# KiCad board IotKnob.kicad_pcb (continued)
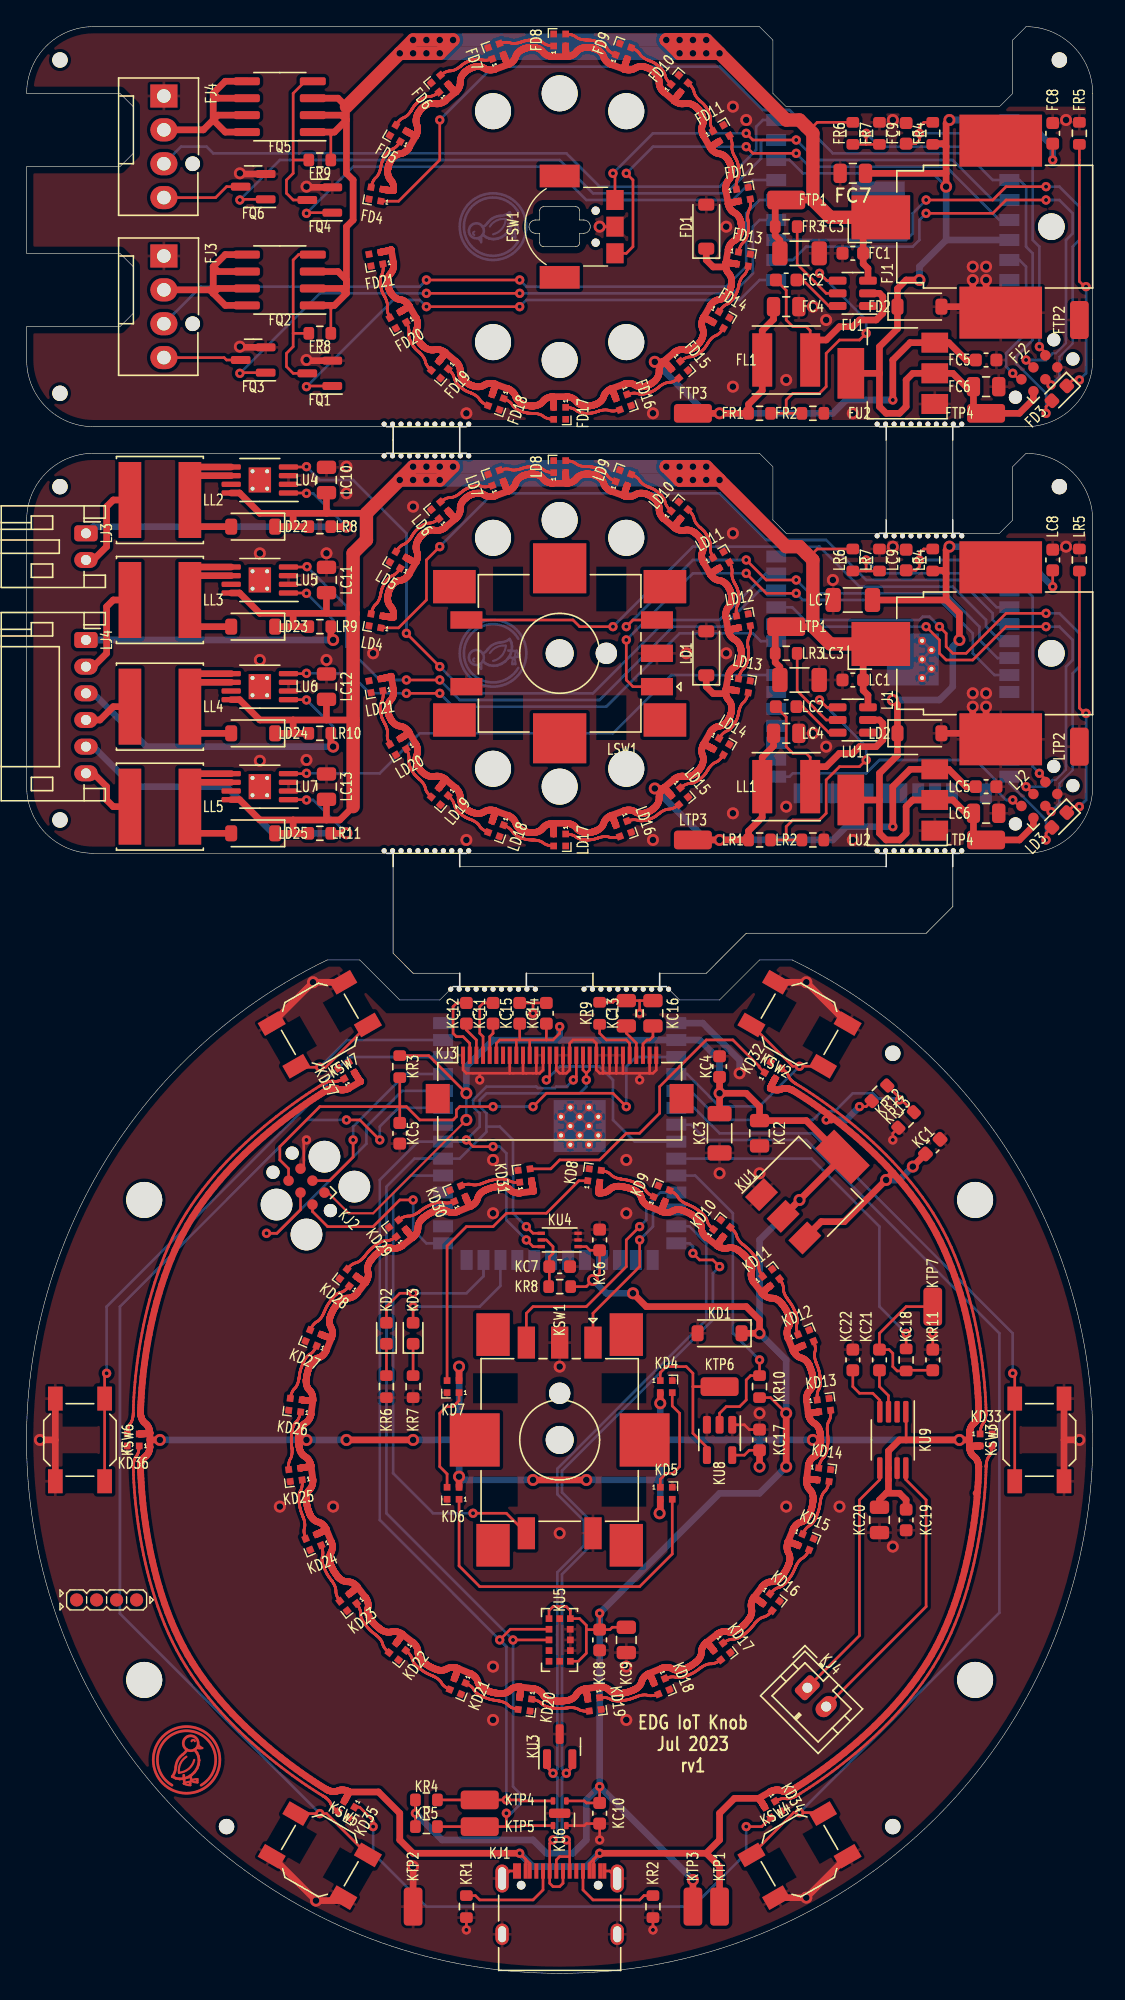
[diagram p0: board, top side]
## Routing (per net, layer and track width the routed paths; a pad name or vN(x,y) marks a point on that pad's centre or on a via; arc(x,y) is an arc through that point) (continued)
als.dvi_res.b: length 4.2
  Top w0.2: 39.22,51.56 KC7.1 39.22,53.73 39.5,54.01 39.5,54.51 39,55.01 KU4.5
enc.a: length 92.9
  Top w0.2: v2(46,55.01) 46,53.01 42.5,49.51 KSW1.A ; FSW1.A 45,129.01 45.5,129.51 45.5,134.51 v2(45,135.01) ; v2(45,100.01) 45,97.01 45.5,96.51 LSW1.A ; v2(54,137.01) 54.5,136.51 v2(57.75,136.51) ; v2(54,105.01) 55.5,103.51 v2(57.75,103.51)
  Bottom w0.2: v2(54,105.01) 50,105.01 v2(45,100.01) ; v2(57.75,103.51) 58.25,103.01 68.5,103.01 71,100.51 71,99.01 72.63,97.38 LU3.8 ; v2(57.75,136.51) 58.75,135.51 69,135.51 73,131.51 FU3.6 ; KU2.12 47.29,57.3 47,57.01 47,56.01 v2(46,55.01) ; v2(54,137.01) 47,137.01 v2(45,135.01)
enc.b: length 91
  Top w0.2: KSW1.B 37.5,49.51 38,50.01 42,50.01 45,53.01 45,55.01 v2(46,56.01) ; v2(54,138.01) 54.5,137.51 v2(57.75,137.51) ; v2(54,106.01) 55.5,104.51 v2(57.75,104.51) ; FSW1.B 44.15,134.86 v2(44,135.01) ; LSW1.B 45.5,101.51 v2(45,101.01)
  Bottom w0.2: v2(57.75,104.51) 58.75,103.51 69,103.51 71.5,101.01 71.5,100.01 72.86,98.65 LU3.7 ; v2(44,135.01) 47,138.01 v2(54,138.01) ; v2(46,56.01) 46.5,56.51 46.5,57.51 47.56,58.57 KU2.11 ; v2(54,106.01) 50,106.01 v2(45,101.01) ; FU3.5 72.5,133.01 69.5,136.01 59.25,136.01 v2(57.75,137.51)
enc.sw: length 83.8
  Top w0.2: KSW1.S1 36,34.51 v2(33.5,34.51) ; LSW1.S1 41,101.51 41.5,101.01 v2(44,101.01)
  Bottom w0.2: v2(44,101.01) 50,107.01 59.5,107.01 62.5,104.01 69.5,104.01 72,101.51 72,101.01 73.09,99.92 LU3.6 ; KU2.31 28.83,59.84 27.5,58.51 27.5,37.51 30.5,34.51 v2(33.5,34.51)
i2c_chain_0.scl: length 97.3
  Top w0.2: KU5.10 36.3,25.81 v2(35.5,25.01) ; v2(41.02,67.01) 41.25,67.23 KJ3.18 ; KR4.2 KTP4.1 37,13.01 37.08,12.93 KU6.2 ; v2(33,62.51) 33.5,62.01 v2(35,62.01) ; KU4.6 38,54.51 v2(37.5,55.01)
  Bottom w0.2: v2(41.02,67.01) 40.52,66.51 39.75,66.51 39.64,66.4 38.36,66.4 38.25,66.51 34.5,66.51 33.5,65.51 33.5,65 34,64.5 34,63.51 32.87,62.38 KU2.33 29.37,62.38 26.5,59.51 26.5,34.01 36,24.51 ; v2(36,13.01) 36,24.51 ; 36,24.51 v2(35.5,25.01) ; v2(35,62.01) 35.5,62.01 36,61.51 36,56.51 v2(37.5,55.01)
i2c_chain_0.sda: length 98.9
  Top w0.2: 42,67.51 41.75,67.76 KJ3.19 ; 42,67.51 v2(42,67.01) ; 42,67.51 42.25,67.76 KJ3.20 ; v2(36,12.01) 36,11.01 ; 36,11.01 KTP5.1 KR5.2 ; 36,11.01 37,11.01 37.08,11.08 KU6.3 ; KU5.9 v2(36.5,25.01) ; v2(37.5,56.01) 38,55.51 KU4.4
  Bottom w0.2: 34.5,63.51 34.5,63.11 32.5,61.11 KU2.32 29.11,61.11 27,59 27,34.51 v2(36.5,25.01) 36.5,14.01 37,13.51 37,12.64 36.36,12.01 v2(36,12.01) ; 34.5,63.51 34.5,64.51 34,65.01 34,65.5 34.51,66.01 41.5,66.01 42,66.51 v2(42,67.01) ; 34.5,63.51 35.5,63.51 36.5,62.51 36.5,57.01 v2(37.5,56.01)
io8_pur.io: length 24.3
  Top w0.2: v2(55,46.01) KR10.2 54.33,44.83 54,44.51 54,43.01 53.5,42.51 52.5,42.51 52,42.01 KU8.2
  Bottom w0.2: KU2.10 50.17,59.84 53,57.01 53,48.01 v2(55,46.01)
ledr.res.a: length 40.7
  Top w0.2: v2(79,119.51) 78.5,119.51 FD3.1 ; v2(79,87.51) 78.5,87.51 LD3.1 ; KD2.1 KR6.1 ; LR5.1 79,94.91 79.4,94.51 ; 79.4,126.51 79,126.91 FR5.1
  Bottom w0.2: v2(79,119.51) 79.5,120.01 v2(79.5,126.51) ; v2(79,87.51) 79.5,88.01 v2(79.5,94.51)
ledr.signal: length 95.5
  Top w0.2: v2(76.5,85.01) 76.5,85.51 LD3.2 ; v2(76.5,117.01) 76.5,117.51 FD3.2 ; KD2.2 27,50.01 28,51.01 v2(29,51.01) ; v2(31,139.01) 31,136.01 27.91,132.92 FD4.1
  Bottom w0.2: v2(29,51.01) 33,51.01 34.28,52.29 KU2.25 ; LU3.14 73.75,89.26 76.5,86.51 v2(76.5,85.01) ; v2(76.5,117.01) 76.5,118.51 74.25,120.76 74.25,121.26 75.5,122.51 75.5,129.01 75,129.51 75,134.01 74.5,134.51 FU3.4 72.5,134.51 70.5,136.51 60.5,136.51 57.25,139.76 55.25,139.76 52,143.01 35,143.01 v2(31,139.01)
ledy.res.a: length 2.4
  Top w0.2: KD3.1 KR7.1
ledy.signal: length 10.4
  Top w0.2: v2(29,50.01) KD3.2
  Bottom w0.2: KU2.24 35.56,51.56 34,50.01 v2(29,50.01)
mcu.program_boot_node: length 45.8
  Top w0.16: 74.45,87.56 v2(74,88.01) ; 74.45,119.56 v2(74,120.01)
  Top w0.2: KJ2.2 21.45,57.15 22.59,56.01 26,56.01 28,58.01 v2(29,58.01)
  Bottom w0.2: v2(74,88.01) 73.5,88.01 72.69,88.81 72.69,89.52 71.21,91.01 64,91.01 63,90.01 57.5,90.01 57.25,89.76 LU3.27 ; v2(74,120.01) 73.5,120.51 73.5,121.51 75,123.01 75,128.01 74.5,128.51 FU3.8 ; KU2.27 30,54.76 29,55.76 v2(29,58.01)
mcu.program_en_node: length 97.4
  Top w0.2: FC9.1 66.72,137.23 67,137.51 67,138.51 67.33,138.83 FR4.2 ; 28,65.01 KC5.1 ; 28,65.01 KR3.2 ; 28,65.01 28.5,65.01 29.5,64.01 32,64.01 32.25,64.26 32.25,64.76 32.5,65.01 v2(35,65.01) ; 28,65.01 22,65.01 19,62.01 19,61.01 19.65,60.35 KJ2.6 ; LR4.2 67.33,106.83 67,106.51 67,105.51 66.72,105.23 LC9.1 ; v2(45,65.01) 44,66.01 39,66.01 v2(38,65.01) ; 76.45,121.56 v2(76,122.01) ; 76.45,89.56 v2(76,90.01)
  Bottom w0.2: v2(45,65.01) 45,68.01 45.72,68.73 KU2.3 ; v2(35,65.01) v2(38,65.01) ; v2(76,90.01) 75.5,90.51 75.5,103.26 75.03,103.73 LU3.3 72.28,103.73 70,106.01 v2(67,106.01) ; v2(76,122.01) 76,129.51 75.5,130.01 75.5,137.01 75,137.51 FU3.2 72.5,137.51 72,138.01 v2(67,138.01)
mcu.program_uart_node.a_tx: length 96.9
  Top w0.2: v2(76.5,102.01) 73.5,102.01 70.5,99.01 69.5,99.01 69,99.5 69,100.5 v2(68.5,101.01) ; 76.87,119.13 FJ2.3 ; v2(76.5,134.01) 73.5,134.01 72.5,133.01 v2(67.5,133.01) ; 76.87,87.13 LJ2.3 ; v2(24.5,62.51) 24.5,61.22 22.73,59.46 KJ2.3
  Bottom w0.16: 77.5,89.01 77.5,89.24 78.5,90.24 78.5,90.51 ; 78.5,122.51 78.5,122.24 77.5,121.24 77.5,121.01
  Bottom w0.2: 78.5,90.51 78.5,97.51 79,98.01 79,100.51 77.5,102.01 v2(76.5,102.01) ; FU3.12 66,130.01 66.5,130.51 66.5,132.01 v2(67.5,133.01) ; 78.5,122.51 78.5,129.51 79,130.01 79,132.51 77.5,134.01 v2(76.5,134.01) ; LU3.37 57.45,102.46 58.4,101.51 67,101.51 67.25,101.76 67.75,101.76 v2(68.5,101.01) ; v2(76.88,119.13) 77.5,119.76 77.5,121.01 ; 77.5,89.01 77.5,87.76 v2(76.88,87.13) ; v2(24.5,62.51) 24.5,63.51 28.45,67.46 KU2.37
mcu.program_uart_node.b_tx: length 102.3
  Top w0.2: v2(76.5,101.01) 73.5,101.01 71,98.51 69,98.51 68.5,99.01 68.5,100.01 v2(67.5,101.01) ; v2(67.5,132.01) 72.5,132.01 73.5,133.01 v2(76.5,133.01) ; KJ2.4 20.55,57.28 18.78,55.51 v2(18,55.51) ; v2(75,121.01) FJ2.4 ; v2(75,89.01) LJ2.4
  Bottom w0.16: 77,89.51 77.24,89.51 78,90.27 78,90.51 ; 77,121.51 77.24,121.51 78,122.27 78,122.51
  Bottom w0.2: v2(18,55.51) 18.78,55.51 25.5,62.22 25.5,63.51 28.18,66.19 KU2.36 ; 78,90.51 78,98.01 78.5,98.51 78.5,100.01 77.5,101.01 v2(76.5,101.01) ; v2(75,121.01) 76.5,121.01 77,121.51 ; FU3.11 57.5,128.51 58.5,129.51 66.5,129.51 67,130.01 67,131.51 v2(67.5,132.01) ; v2(67.5,101.01) 57.86,101.01 57.68,101.19 LU3.36 ; v2(75,89.01) 76.5,89.01 77,89.51 ; v2(76.5,133.01) 77.5,133.01 78.5,132.01 78.5,130.51 78,130.01 78,122.51
oled.c1_cap.neg: length 2.5
  Top w0.2: KC11.2 35,70.51 34.75,70.26 KJ3.5
oled.c1_cap.pos: length 4.9
  Top w0.2: KJ3.4 34.25,70.26 34,70.51 34,72.51 34.28,72.78 KC11.1
oled.c2_cap.neg: length 2.7
  Top w0.2: KC12.2 33,70.76 33.75,70.01 KJ3.3
oled.c2_cap.pos: length 5.6
  Top w0.2: KC12.1 32.28,72.78 32,72.51 32,70.51 32.25,70.26 32.75,70.26 33.25,69.76 KJ3.2
oled.device.vcc: length 2.6
  Top w0.2: KJ3.28 46.25,69.71 46.55,70.01 46.75,70.01 47,70.26 KC16.1
oled.device.vcomh: length 2.5
  Top w0.2: KJ3.27 45.75,69.77 45,70.52 KC13.1
oled.iref_res.a: length 4.1
  Top w0.2: KJ3.26 45.25,69.76 45,70.01 43.5,70.01 43,70.51 KR9.1
oled.reset: length 16.2
  Top w0.2: KJ3.14 39.25,67.26 v2(39,67.01)
  Bottom w0.2: KU2.8 45.63,62.38 44,64.01 44,67.01 43,68.01 40,68.01 v2(39,67.01)
rgb_knob.dout: length 22.7
  Top w0.2: KD7.3 31.55,54.56 33,56.01 35,56.01 36,57.01 39,57.01 41.44,59.45 KD8.1
rgb_knob.led[0].dout: length 8.2
  Top w0.2: KD4.3 48.45,42.56 49,42.01 49,38.01 48.5,37.51 48,37.51 47.55,37.06 KD5.1
rgb_knob.led[1].dout: length 26.8
  Top w0.2: KD6.1 32.45,30.56 34,29.01 46,29.01 48.45,31.46 KD5.3
rgb_knob.led[2].dout: length 8.2
  Top w0.2: KD6.3 31.55,37.46 31,38.01 31,42.01 31.5,42.51 32,42.51 32.45,42.96 KD7.1
rgb_ring.dout: length 23.8
  Top w0.2: KD32.1 54.97,67.97 54.97,68.04 53,70.01 51,70.01 49,68.01 49,68.01 47.5,66.51 47.5,64.51 46,63.01 45,63.01 43,61.01 40,61.01 39.33,60.34 KD31.3
rgb_ring.led[0].dout: length 12.1
  Top w0.2: 46.94,58.3 46.89,58.33 46.84,58.36 46.81,58.38 46.78,58.4 46.75,58.41 46.7,58.46 46.64,58.5 46.61,58.52 46.59,58.55 46.56,58.57 46.54,58.6 46.51,58.63 46.49,58.66 46.47,58.68 46.45,58.71 46.44,58.75 46.42,58.78 46.4,58.81 46.38,58.83 46.36,58.86 46.33,58.89 46.31,58.92 46.26,58.97 46.23,58.99 46.2,59.01 46.15,59.06 46.12,59.08 46.09,59.09 46.03,59.13 46.01,59.15 45.96,59.17 45.93,59.19 45.91,59.2 45.89,59.21 45.86,59.23 45.83,59.24 45.81,59.25 45.79,59.26 45.77,59.27 45.75,59.27 45.73,59.28 45.72,59.28 45.7,59.29 45.66,59.31 45.64,59.32 45.61,59.33 45.59,59.34 45.56,59.34 45.54,59.35 45.51,59.36 45.49,59.37 45.46,59.38 45.44,59.39 45.33,59.43 45.31,59.44 45.28,59.44 45.26,59.45 45.23,59.46 45.19,59.47 45.17,59.48 45.14,59.48 45.12,59.49 45.09,59.49 45.07,59.5 44.99,59.51 44.9,59.53 44.88,59.53 44.85,59.54 44.8,59.54 44.77,59.55 44.75,59.55 44.73,59.56 44.69,59.56 44.67,59.56 44.65,59.57 44.62,59.57 44.6,59.57 44.56,59.58 44.52,59.59 44.5,59.59 44.43,59.61 44.4,59.61 44.34,59.63 44.31,59.64 44.25,59.66 44.22,59.67 44.18,59.69 44.12,59.71 44.08,59.73 44.05,59.75 44.02,59.77 43.96,59.81 43.93,59.83 43.9,59.85 43.88,59.87 43.83,59.92 43.81,59.95 43.78,59.97 43.75,59.99 43.69,60.03 43.66,60.05 43.62,60.07 43.59,60.08 43.56,60.1 43.49,60.12 43.46,60.14 43.43,60.15 43.4,60.16 43.34,60.18 43.28,60.19 43.25,60.2 ; 27.96,137.27 27.95,137.25 27.91,137.2 27.87,137.16 27.83,137.11 27.8,137.08 27.78,137.05 27.73,137 27.7,136.98 27.67,136.96 27.64,136.94 27.61,136.91 27.58,136.9 27.55,136.88 27.52,136.86 27.49,136.85 27.46,136.83 27.43,136.82 27.39,136.81 27.36,136.79 27.33,136.77 27.3,136.75 27.27,136.73 27.24,136.71 27.22,136.69 27.19,136.66 27.14,136.61 27.09,136.56 27.07,136.54 27.04,136.51 27,136.46 26.99,136.44 26.97,136.42 26.95,136.39 26.92,136.34 26.89,136.3 26.87,136.27 26.86,136.25 26.83,136.2 26.82,136.17 26.81,136.16 26.8,136.14 26.78,136.11 26.78,136.09 26.76,136.05 26.73,136 26.71,135.96 26.7,135.93 26.69,135.91 26.68,135.89 26.66,135.84 26.66,135.83 26.65,135.81 26.65,135.79 26.64,135.77 26.64,135.75 26.63,135.73 26.61,135.67 26.61,135.65 26.61,135.63 26.6,135.61 26.6,135.59 26.59,135.56 26.58,135.54 26.58,135.5 26.57,135.46 26.56,135.43 26.56,135.41 26.55,135.35 26.54,135.31 26.53,135.29 26.53,135.27 26.52,135.24 26.51,135.22 26.5,135.19 26.47,135.1 26.46,135.07 26.44,135.03 26.43,135 26.42,134.97 26.4,134.94 26.38,134.9 26.36,134.87 26.34,134.84 26.32,134.81 26.3,134.78 26.28,134.76 26.25,134.73 26.23,134.71 26.2,134.68 26.18,134.66 26.15,134.64 26.13,134.61 26.11,134.58 26.06,134.52 26.03,134.46 26.01,134.43 25.98,134.37 25.96,134.33 25.95,134.3 25.94,134.27 25.92,134.24 25.92,134.21 25.91,134.18 25.9,134.15 25.89,134.12 25.88,134.1 ; 25.88,102.1 25.89,102.12 25.9,102.15 25.91,102.18 25.92,102.21 25.92,102.24 25.94,102.27 25.95,102.3 25.96,102.33 25.98,102.37 26.01,102.43 26.03,102.46 26.06,102.52 26.11,102.58 26.13,102.61 26.15,102.64 26.18,102.66 26.2,102.68 26.23,102.71 26.25,102.73 26.28,102.76 26.3,102.78 26.32,102.81 26.34,102.84 26.36,102.87 26.38,102.9 26.4,102.94 26.42,102.97 26.43,103 26.44,103.03 26.46,103.07 26.47,103.1 26.49,103.16 26.5,103.19 26.51,103.22 26.52,103.24 26.53,103.27 26.53,103.29 26.54,103.33 26.55,103.35 26.56,103.39 26.56,103.41 26.56,103.42 26.57,103.46 26.58,103.5 26.58,103.54 26.6,103.59 26.6,103.61 26.61,103.63 26.61,103.65 26.61,103.67 26.63,103.73 26.64,103.75 26.64,103.77 26.65,103.79 26.65,103.81 26.66,103.83 26.66,103.84 26.67,103.87 26.68,103.89 26.69,103.91 26.71,103.96 26.74,104.02 26.78,104.09 26.78,104.11 26.8,104.14 26.81,104.16 26.82,104.17 26.83,104.2 26.85,104.24 26.87,104.27 26.9,104.31 26.92,104.34 26.95,104.39 26.97,104.42 26.99,104.44 27,104.46 27.04,104.51 27.07,104.54 27.09,104.56 27.14,104.61 27.19,104.66 27.22,104.69 27.24,104.71 27.27,104.73 27.3,104.75 27.33,104.77 27.36,104.79 27.39,104.81 27.43,104.82 27.46,104.83 27.49,104.85 27.52,104.86 27.55,104.88 27.58,104.9 27.61,104.91 27.64,104.94 27.67,104.96 27.7,104.98 27.73,105 27.78,105.05 27.8,105.08 27.83,105.11 27.87,105.16 27.91,105.2 27.95,105.25 27.96,105.27
rgb_ring.led[1].dout: length 12.1
  Top w0.2: 30.83,141.01 30.78,140.98 30.76,140.97 30.73,140.95 30.71,140.93 30.68,140.92 30.65,140.9 30.62,140.88 30.55,140.85 30.52,140.84 30.49,140.83 30.45,140.82 30.42,140.8 30.38,140.79 30.35,140.79 30.31,140.78 30.28,140.77 30.24,140.77 30.17,140.77 30.14,140.77 30.1,140.76 30.07,140.76 30.03,140.75 30,140.74 29.96,140.73 29.93,140.72 29.89,140.7 29.86,140.69 29.83,140.67 29.8,140.66 29.77,140.64 29.74,140.63 29.71,140.61 29.68,140.59 29.65,140.58 29.63,140.56 29.58,140.53 29.54,140.5 29.51,140.48 29.5,140.47 29.47,140.44 29.44,140.42 29.42,140.4 29.39,140.38 29.38,140.37 29.36,140.35 29.33,140.32 29.31,140.31 29.3,140.29 29.27,140.27 29.25,140.25 29.24,140.24 29.19,140.19 29.14,140.14 29.13,140.13 29.12,140.11 29.11,140.1 29.08,140.05 29.04,140 29.03,139.99 29.02,139.97 28.97,139.9 28.94,139.85 28.94,139.84 28.93,139.82 28.92,139.81 28.9,139.79 28.9,139.78 28.88,139.75 28.87,139.73 28.84,139.68 28.83,139.66 28.81,139.64 28.8,139.62 28.78,139.6 28.77,139.58 28.75,139.55 28.73,139.53 28.71,139.5 28.69,139.48 28.66,139.45 28.61,139.4 28.56,139.35 28.54,139.33 28.51,139.3 28.48,139.28 28.45,139.26 28.42,139.24 28.39,139.22 28.36,139.21 28.33,139.19 28.29,139.18 28.26,139.17 28.23,139.15 28.2,139.14 28.17,139.12 28.14,139.1 28.11,139.08 28.08,139.06 28.05,139.03 28.02,139.01 28,138.98 27.95,138.93 27.92,138.91 27.9,138.88 27.86,138.83 27.84,138.81 27.81,138.76 27.79,138.74 ; 48.37,58.67 48.42,58.64 48.44,58.62 48.5,58.59 48.55,58.55 48.58,58.53 48.61,58.51 48.64,58.49 48.67,58.47 48.69,58.44 48.72,58.42 48.75,58.39 48.79,58.34 48.82,58.31 48.84,58.28 48.86,58.25 48.87,58.22 48.89,58.19 48.91,58.16 48.93,58.13 48.95,58.11 48.97,58.08 49,58.05 49.02,58.03 49.05,58 49.08,57.98 49.11,57.96 49.13,57.93 49.16,57.91 49.22,57.87 49.25,57.86 49.3,57.82 49.33,57.81 49.37,57.78 49.39,57.77 49.43,57.75 49.47,57.73 49.48,57.73 49.5,57.72 49.52,57.71 49.56,57.7 49.57,57.69 49.61,57.67 49.65,57.66 49.67,57.65 49.72,57.63 49.74,57.62 49.79,57.59 49.86,57.56 49.89,57.55 49.92,57.53 49.99,57.5 50.03,57.47 50.05,57.46 50.07,57.45 50.09,57.44 50.11,57.43 50.13,57.41 50.15,57.4 50.22,57.36 50.29,57.31 50.31,57.29 50.36,57.26 50.4,57.23 50.42,57.21 50.46,57.19 50.5,57.16 50.51,57.15 50.53,57.14 50.54,57.13 50.55,57.12 50.56,57.11 50.58,57.09 50.6,57.08 50.62,57.07 50.64,57.04 50.66,57.03 50.7,57 50.72,56.98 50.76,56.94 50.8,56.89 50.82,56.87 50.87,56.82 50.89,56.79 50.91,56.76 50.95,56.7 50.97,56.67 50.99,56.64 51.01,56.61 51.02,56.57 51.04,56.54 51.05,56.51 51.06,56.47 51.07,56.44 51.08,56.41 51.08,56.37 51.1,56.34 51.11,56.31 51.13,56.27 51.14,56.24 51.16,56.21 51.18,56.18 51.2,56.15 51.22,56.12 51.27,56.07 51.29,56.04 51.33,55.99 51.38,55.94 51.4,55.92 51.42,55.9 51.44,55.88 ; 30.83,109.01 30.78,108.98 30.76,108.97 30.73,108.95 30.71,108.93 30.68,108.92 30.65,108.9 30.62,108.88 30.55,108.85 30.52,108.84 30.49,108.83 30.45,108.82 30.42,108.8 30.38,108.79 30.35,108.79 30.31,108.78 30.28,108.77 30.24,108.77 30.17,108.77 30.14,108.77 30.1,108.76 30.07,108.76 30.03,108.75 30,108.74 29.96,108.73 29.93,108.72 29.89,108.7 29.86,108.69 29.83,108.67 29.8,108.66 29.77,108.64 29.74,108.63 29.71,108.61 29.68,108.59 29.65,108.58 29.63,108.56 29.58,108.53 29.54,108.5 29.51,108.48 29.5,108.47 29.47,108.44 29.44,108.42 29.42,108.4 29.39,108.38 29.38,108.37 29.36,108.35 29.33,108.32 29.31,108.31 29.3,108.29 29.27,108.27 29.25,108.25 29.24,108.24 29.19,108.19 29.14,108.14 29.13,108.13 29.12,108.11 29.11,108.1 29.08,108.05 29.04,108 29.03,107.99 29.02,107.97 28.97,107.9 28.94,107.85 28.94,107.84 28.93,107.82 28.92,107.81 28.9,107.79 28.9,107.78 28.88,107.75 28.87,107.73 28.84,107.68 28.83,107.66 28.81,107.64 28.8,107.62 28.78,107.6 28.77,107.58 28.75,107.55 28.73,107.53 28.71,107.5 28.69,107.48 28.66,107.45 28.61,107.4 28.56,107.35 28.54,107.33 28.51,107.3 28.48,107.28 28.45,107.26 28.42,107.24 28.39,107.22 28.36,107.21 28.33,107.19 28.29,107.18 28.26,107.17 28.23,107.15 28.2,107.14 28.17,107.12 28.14,107.1 28.11,107.08 28.08,107.06 28.05,107.03 28.02,107.01 28,106.98 27.95,106.93 27.92,106.91 27.9,106.88 27.86,106.83 27.84,106.81 27.81,106.76 27.79,106.74
rgb_ring.led[2].dout: length 12.1
  Top w0.2: 52.91,55.86 52.95,55.83 52.97,55.8 53,55.78 53.02,55.76 53.04,55.73 53.06,55.71 53.11,55.65 53.15,55.6 53.17,55.57 53.21,55.5 53.22,55.47 53.24,55.44 53.25,55.41 53.27,55.37 53.28,55.34 53.29,55.27 53.3,55.24 53.31,55.21 53.33,55.17 53.34,55.14 53.36,55.11 53.4,55.05 53.42,55.02 53.46,54.96 53.48,54.93 53.53,54.88 53.57,54.83 53.59,54.81 53.61,54.79 53.67,54.73 53.72,54.69 53.74,54.67 53.76,54.66 53.8,54.63 53.82,54.61 53.85,54.59 53.89,54.56 53.92,54.53 54.01,54.46 54.05,54.42 54.07,54.41 54.13,54.35 54.15,54.33 54.17,54.32 54.19,54.3 54.21,54.28 54.23,54.27 54.26,54.23 54.28,54.22 54.29,54.2 54.31,54.18 54.33,54.16 54.35,54.14 54.4,54.08 54.42,54.06 54.45,54.01 54.5,53.95 54.52,53.93 54.55,53.89 54.58,53.86 54.6,53.83 54.62,53.8 54.64,53.78 54.65,53.76 54.66,53.76 54.67,53.74 54.7,53.69 54.72,53.67 54.73,53.65 54.74,53.63 54.77,53.58 54.79,53.55 54.8,53.52 54.83,53.46 54.86,53.4 54.88,53.37 54.9,53.3 54.91,53.26 54.92,53.23 54.93,53.19 54.93,53.16 54.94,53.12 54.94,53.09 54.94,53.05 54.94,52.98 54.94,52.95 54.95,52.91 54.95,52.88 54.96,52.84 54.97,52.81 54.99,52.74 55,52.7 55.01,52.67 55.02,52.63 55.04,52.6 55.05,52.57 55.08,52.51 55.1,52.48 55.11,52.46 55.14,52.41 55.16,52.38 ; 34.81,111.54 34.78,111.54 34.75,111.53 34.72,111.53 34.66,111.51 34.63,111.51 34.6,111.5 34.53,111.49 34.49,111.49 34.45,111.49 34.38,111.49 34.35,111.49 34.31,111.49 34.27,111.5 34.24,111.5 34.2,111.51 34.17,111.52 34.11,111.54 34.07,111.55 34.04,111.56 34,111.57 33.97,111.57 33.93,111.57 33.89,111.57 33.86,111.57 33.82,111.57 33.78,111.57 33.71,111.57 33.61,111.55 33.55,111.54 33.52,111.53 33.47,111.52 33.42,111.51 33.39,111.5 33.36,111.49 33.33,111.48 33.32,111.48 33.29,111.46 33.28,111.46 33.27,111.45 33.21,111.43 33.16,111.41 33.06,111.37 33.04,111.36 32.99,111.34 32.95,111.32 32.94,111.31 32.91,111.29 32.88,111.27 32.84,111.25 32.83,111.24 32.81,111.23 32.8,111.22 32.78,111.21 32.76,111.2 32.75,111.18 32.68,111.14 32.62,111.09 32.61,111.08 32.59,111.06 32.58,111.05 32.54,111.02 32.51,111 32.5,110.99 32.49,110.98 32.46,110.96 32.44,110.95 32.4,110.92 32.35,110.89 32.32,110.87 32.29,110.85 32.27,110.84 32.23,110.82 32.17,110.79 32.14,110.77 32.11,110.76 32.07,110.75 32.04,110.73 32,110.72 31.97,110.71 31.94,110.71 31.9,110.7 31.86,110.69 31.83,110.69 31.8,110.69 31.76,110.69 31.72,110.69 31.69,110.68 31.66,110.68 31.62,110.67 31.58,110.66 31.55,110.65 31.52,110.64 31.48,110.62 31.45,110.61 31.39,110.58 31.35,110.56 31.32,110.55 31.3,110.53 31.24,110.5 31.19,110.47 31.17,110.45 ; 31.17,142.45 31.19,142.47 31.24,142.5 31.3,142.53 31.32,142.55 31.35,142.56 31.39,142.58 31.45,142.61 31.48,142.62 31.52,142.64 31.55,142.65 31.58,142.66 31.62,142.67 31.66,142.68 31.69,142.68 31.72,142.69 31.76,142.69 31.8,142.69 31.83,142.69 31.86,142.69 31.9,142.7 31.94,142.71 31.97,142.71 32,142.72 32.04,142.73 32.07,142.75 32.11,142.76 32.14,142.77 32.17,142.79 32.23,142.82 32.27,142.84 32.29,142.85 32.32,142.87 32.35,142.89 32.4,142.92 32.44,142.95 32.49,142.98 32.5,142.99 32.52,143.01 32.56,143.04 32.58,143.05 32.59,143.06 32.61,143.08 32.65,143.11 32.68,143.14 32.73,143.17 32.75,143.18 32.76,143.2 32.78,143.21 32.8,143.22 32.81,143.23 32.83,143.24 32.84,143.25 32.88,143.27 32.91,143.29 32.94,143.31 32.95,143.32 32.99,143.34 33.04,143.36 33.06,143.37 33.12,143.39 33.16,143.41 33.21,143.43 33.25,143.45 33.28,143.46 33.3,143.47 33.32,143.47 33.33,143.48 33.35,143.48 33.36,143.49 33.39,143.5 33.42,143.51 33.47,143.52 33.52,143.53 33.55,143.54 33.61,143.55 33.68,143.56 33.71,143.57 33.78,143.57 33.82,143.57 33.86,143.57 33.89,143.57 33.93,143.57 33.97,143.57 34,143.57 34.04,143.56 34.07,143.55 34.11,143.54 34.17,143.52 34.2,143.51 34.24,143.5 34.27,143.5 34.31,143.49 34.35,143.49 34.38,143.49 34.45,143.49 34.49,143.49 34.53,143.49 34.6,143.5 34.63,143.51 34.66,143.51 34.72,143.53 34.75,143.53 34.78,143.54 34.81,143.54
rgb_ring.led[3].dout: length 12.1
  Top w0.2: 35.62,112.78 35.64,112.79 35.67,112.79 35.7,112.8 35.73,112.81 35.76,112.81 35.83,112.82 35.86,112.83 35.93,112.83 35.97,112.83 36,112.84 36.04,112.84 36.08,112.83 36.11,112.83 36.15,112.83 36.18,112.82 36.22,112.81 36.25,112.8 36.32,112.78 36.35,112.77 36.39,112.76 36.42,112.76 36.46,112.75 36.49,112.75 36.57,112.75 36.6,112.75 36.64,112.75 36.67,112.76 36.74,112.76 36.78,112.77 36.81,112.77 36.84,112.78 36.87,112.79 36.93,112.8 36.95,112.81 36.98,112.81 37,112.82 37.02,112.82 37.04,112.83 37.05,112.83 37.07,112.84 37.08,112.84 37.11,112.85 37.11,112.85 37.12,112.86 37.14,112.86 37.16,112.87 37.19,112.88 37.2,112.88 37.23,112.9 37.25,112.9 37.27,112.91 37.29,112.91 37.35,112.93 37.39,112.94 37.45,112.96 37.47,112.96 37.52,112.97 37.57,112.98 37.69,113 37.73,113 37.75,113 37.81,113 37.83,113 37.87,113 37.88,113 37.9,113.01 37.94,113.01 37.96,113.01 38.02,113.01 38.03,113.01 38.04,113.01 38.09,113 38.14,113 38.2,112.99 38.23,112.99 38.29,112.98 38.32,112.97 38.36,112.97 38.39,112.96 38.42,112.95 38.49,112.93 38.53,112.92 38.56,112.91 38.59,112.89 38.63,112.88 38.66,112.86 38.69,112.84 38.72,112.82 38.75,112.8 38.8,112.76 38.83,112.74 38.86,112.72 38.89,112.7 38.92,112.69 38.96,112.67 38.99,112.66 39.02,112.65 39.06,112.63 39.13,112.61 39.16,112.61 39.19,112.6 39.23,112.59 39.26,112.58 39.32,112.57 39.35,112.57 39.41,112.56 ; 39.41,144.56 39.35,144.57 39.32,144.57 39.26,144.58 39.23,144.59 39.19,144.6 39.16,144.61 39.13,144.61 39.06,144.63 39.02,144.65 38.99,144.66 38.96,144.67 38.92,144.69 38.89,144.7 38.86,144.72 38.83,144.74 38.8,144.76 38.75,144.8 38.72,144.82 38.69,144.84 38.66,144.86 38.63,144.88 38.59,144.89 38.56,144.91 38.53,144.92 38.49,144.93 38.42,144.95 38.39,144.96 38.36,144.97 38.32,144.97 38.29,144.98 38.23,144.99 38.2,144.99 38.14,145 38.09,145 38.04,145.01 38.03,145.01 37.98,145.01 37.96,145.01 37.94,145.01 37.9,145.01 37.88,145 37.87,145 37.83,145 37.81,145 37.75,145 37.73,145 37.69,145 37.59,144.99 37.57,144.98 37.52,144.97 37.47,144.96 37.39,144.94 37.35,144.93 37.29,144.91 37.27,144.91 37.25,144.9 37.22,144.89 37.2,144.88 37.19,144.88 37.16,144.87 37.14,144.86 37.12,144.86 37.11,144.85 37.1,144.85 37.09,144.85 37.07,144.84 37.05,144.83 37.04,144.83 37.02,144.82 37,144.82 36.98,144.81 36.95,144.81 36.93,144.8 36.87,144.79 36.84,144.78 36.81,144.77 36.78,144.77 36.74,144.76 36.67,144.76 36.64,144.75 36.6,144.75 36.57,144.75 36.49,144.75 36.46,144.75 36.42,144.76 36.39,144.76 36.35,144.77 36.32,144.78 36.25,144.8 36.22,144.81 36.18,144.82 36.15,144.83 36.11,144.83 36.08,144.83 36.04,144.84 36,144.84 35.97,144.83 35.93,144.83 35.86,144.83 35.79,144.82 35.76,144.81 35.73,144.81 35.7,144.8 35.67,144.79 35.64,144.79 35.62,144.78 ; 56.58,51.98 56.59,51.96 56.62,51.91 56.64,51.88 56.65,51.85 56.67,51.82 56.68,51.79 56.7,51.76 56.71,51.73 56.72,51.7 56.74,51.66 56.75,51.63 56.77,51.56 56.78,51.52 56.78,51.49 56.79,51.45 56.79,51.42 56.79,51.38 56.79,51.35 56.79,51.31 56.79,51.28 56.8,51.24 56.8,51.21 56.81,51.17 56.81,51.14 56.82,51.1 56.83,51.07 56.85,51.03 56.86,51 56.89,50.93 56.9,50.9 56.92,50.87 56.95,50.81 56.96,50.79 56.99,50.74 57.02,50.69 57.03,50.67 57.04,50.66 57.05,50.64 57.07,50.62 57.08,50.6 57.1,50.58 57.1,50.57 57.11,50.56 57.12,50.55 57.13,50.53 57.14,50.52 57.15,50.5 57.18,50.47 57.21,50.43 57.22,50.41 57.25,50.36 57.29,50.32 57.3,50.3 57.35,50.23 57.38,50.18 57.39,50.16 57.41,50.14 57.42,50.12 57.43,50.1 57.44,50.08 57.46,50.06 57.47,50.04 57.49,49.99 57.53,49.92 57.54,49.9 57.55,49.87 57.59,49.8 57.61,49.75 57.62,49.72 57.64,49.68 57.65,49.65 57.67,49.61 57.68,49.58 57.69,49.56 57.7,49.53 57.71,49.51 57.72,49.49 57.72,49.48 57.73,49.46 57.75,49.42 57.77,49.35 57.77,49.32 57.78,49.29 57.79,49.26 57.8,49.23 57.8,49.2 57.82,49.13 57.83,49.06 57.83,49.02 57.83,48.95 57.83,48.92 57.83,48.88 57.83,48.84 57.82,48.81 57.82,48.77 57.81,48.74 57.8,48.71 57.79,48.67 57.78,48.64 57.78,48.6 57.77,48.57 57.77,48.53 57.77,48.5 57.77,48.46 57.77,48.42 57.78,48.35 57.79,48.28 57.79,48.25 57.8,48.21 57.81,48.15 57.82,48.12 57.83,48.09 57.83,48.06 57.84,48.04
rgb_ring.led[4].dout: length 12.1
  Top w0.2: 44.08,143.95 44,143.99 43.98,144 43.95,144.02 43.89,144.05 43.86,144.07 43.83,144.09 43.78,144.13 43.72,144.18 43.69,144.2 43.67,144.23 43.64,144.26 43.62,144.28 43.6,144.31 43.58,144.34 43.56,144.37 43.54,144.4 43.52,144.43 43.5,144.46 43.48,144.48 43.45,144.51 43.43,144.54 43.37,144.58 43.34,144.61 43.32,144.63 43.29,144.65 43.23,144.69 43.2,144.7 43.17,144.72 43.09,144.77 43.06,144.78 43.04,144.79 43.02,144.8 43,144.81 42.98,144.82 42.94,144.83 42.93,144.84 42.92,144.84 42.91,144.85 42.89,144.85 42.89,144.85 42.88,144.86 42.86,144.86 42.84,144.87 42.81,144.88 42.8,144.88 42.77,144.9 42.75,144.9 42.73,144.91 42.71,144.91 42.65,144.93 42.61,144.94 42.55,144.96 42.53,144.96 42.48,144.97 42.43,144.98 42.31,145 42.27,145 42.25,145 42.19,145 42.17,145 42.13,145 42.12,145 42.1,145.01 42.06,145.01 42.04,145.01 41.98,145.01 41.97,145.01 41.96,145.01 41.91,145.01 41.86,145.01 41.8,145.02 41.77,145.02 41.71,145.03 41.68,145.04 41.64,145.05 41.61,145.06 41.58,145.06 41.51,145.08 41.47,145.1 41.44,145.11 41.41,145.12 41.37,145.14 41.34,145.15 41.31,145.17 41.28,145.19 41.25,145.21 41.2,145.25 41.17,145.27 41.14,145.29 41.11,145.31 41.08,145.33 41.04,145.34 41.01,145.36 40.98,145.37 40.94,145.38 40.87,145.4 40.84,145.41 40.81,145.42 40.77,145.42 40.74,145.43 40.68,145.44 40.65,145.44 40.59,145.45 ; 44.08,111.95 44,111.99 43.98,112 43.95,112.02 43.89,112.05 43.86,112.07 43.83,112.09 43.78,112.13 43.72,112.18 43.69,112.2 43.67,112.23 43.64,112.26 43.62,112.28 43.6,112.31 43.58,112.34 43.56,112.37 43.54,112.4 43.52,112.43 43.5,112.46 43.48,112.48 43.45,112.51 43.43,112.54 43.37,112.58 43.34,112.61 43.32,112.63 43.29,112.65 43.23,112.69 43.2,112.7 43.17,112.72 43.09,112.77 43.06,112.78 43.04,112.79 43.02,112.8 43,112.81 42.98,112.82 42.94,112.83 42.93,112.84 42.92,112.84 42.91,112.85 42.89,112.85 42.89,112.85 42.88,112.86 42.86,112.86 42.84,112.87 42.81,112.88 42.8,112.88 42.77,112.9 42.75,112.9 42.73,112.91 42.71,112.91 42.65,112.93 42.61,112.94 42.55,112.96 42.53,112.96 42.48,112.97 42.43,112.98 42.31,113 42.27,113 42.25,113 42.19,113 42.17,113 42.13,113 42.12,113 42.1,113.01 42.06,113.01 42.04,113.01 41.98,113.01 41.97,113.01 41.96,113.01 41.91,113.01 41.86,113.01 41.8,113.02 41.77,113.02 41.71,113.03 41.68,113.04 41.64,113.05 41.61,113.06 41.58,113.06 41.51,113.08 41.47,113.1 41.44,113.11 41.41,113.12 41.37,113.14 41.34,113.15 41.31,113.17 41.28,113.19 41.25,113.21 41.2,113.25 41.17,113.27 41.14,113.29 41.11,113.31 41.08,113.33 41.04,113.34 41.01,113.36 40.98,113.37 40.94,113.38 40.87,113.4 40.84,113.41 40.81,113.42 40.77,113.42 40.74,113.43 40.68,113.44 40.65,113.44 40.59,113.45 ; 59.31,43.15 59.31,43.17 59.31,43.26 59.31,43.29 59.32,43.36 59.33,43.43 59.33,43.47 59.34,43.5 59.34,43.54 59.35,43.57 59.37,43.64 59.38,43.68 59.4,43.71 59.41,43.74 59.43,43.77 59.45,43.8 59.46,43.83 59.48,43.86 59.5,43.9 59.51,43.93 59.53,44 59.54,44.03 59.55,44.07 59.56,44.1 59.56,44.14 59.57,44.17 59.57,44.24 59.58,44.31 59.58,44.34 59.58,44.43 59.58,44.51 59.58,44.53 59.57,44.54 59.57,44.59 59.56,44.62 59.56,44.66 59.56,44.68 59.56,44.69 59.55,44.73 59.55,44.76 59.54,44.78 59.53,44.86 59.53,44.88 59.52,44.91 59.5,45.02 59.49,45.07 59.48,45.1 59.48,45.13 59.47,45.15 59.47,45.18 59.46,45.22 59.45,45.24 59.44,45.26 59.44,45.29 59.43,45.31 59.42,45.34 59.39,45.44 59.38,45.47 59.37,45.49 59.36,45.52 59.35,45.55 59.34,45.57 59.33,45.6 59.32,45.62 59.31,45.64 59.3,45.67 59.29,45.71 59.28,45.72 59.27,45.74 59.27,45.76 59.26,45.77 59.25,45.79 59.24,45.81 59.23,45.84 59.22,45.86 59.22,45.88 59.2,45.92 59.2,45.95 59.19,45.97 59.18,46 59.17,46.03 59.17,46.06 59.16,46.09 59.15,46.12 59.14,46.16 59.14,46.19 59.13,46.22 59.13,46.3 59.12,46.37 59.12,46.4 59.13,46.48 59.13,46.51 59.14,46.55 59.14,46.58 59.15,46.61 59.16,46.65 59.17,46.68 59.18,46.72 59.18,46.75 59.19,46.79 59.19,46.82 59.19,46.86 59.19,46.9 59.18,46.97 59.17,47.04 59.16,47.11 59.15,47.14 59.14,47.17 59.14,47.2 59.13,47.23 59.12,47.26 59.11,47.28